# Altium PCB ST1-1-BASIS.PcbDoc (part 3 of 7) (continued)
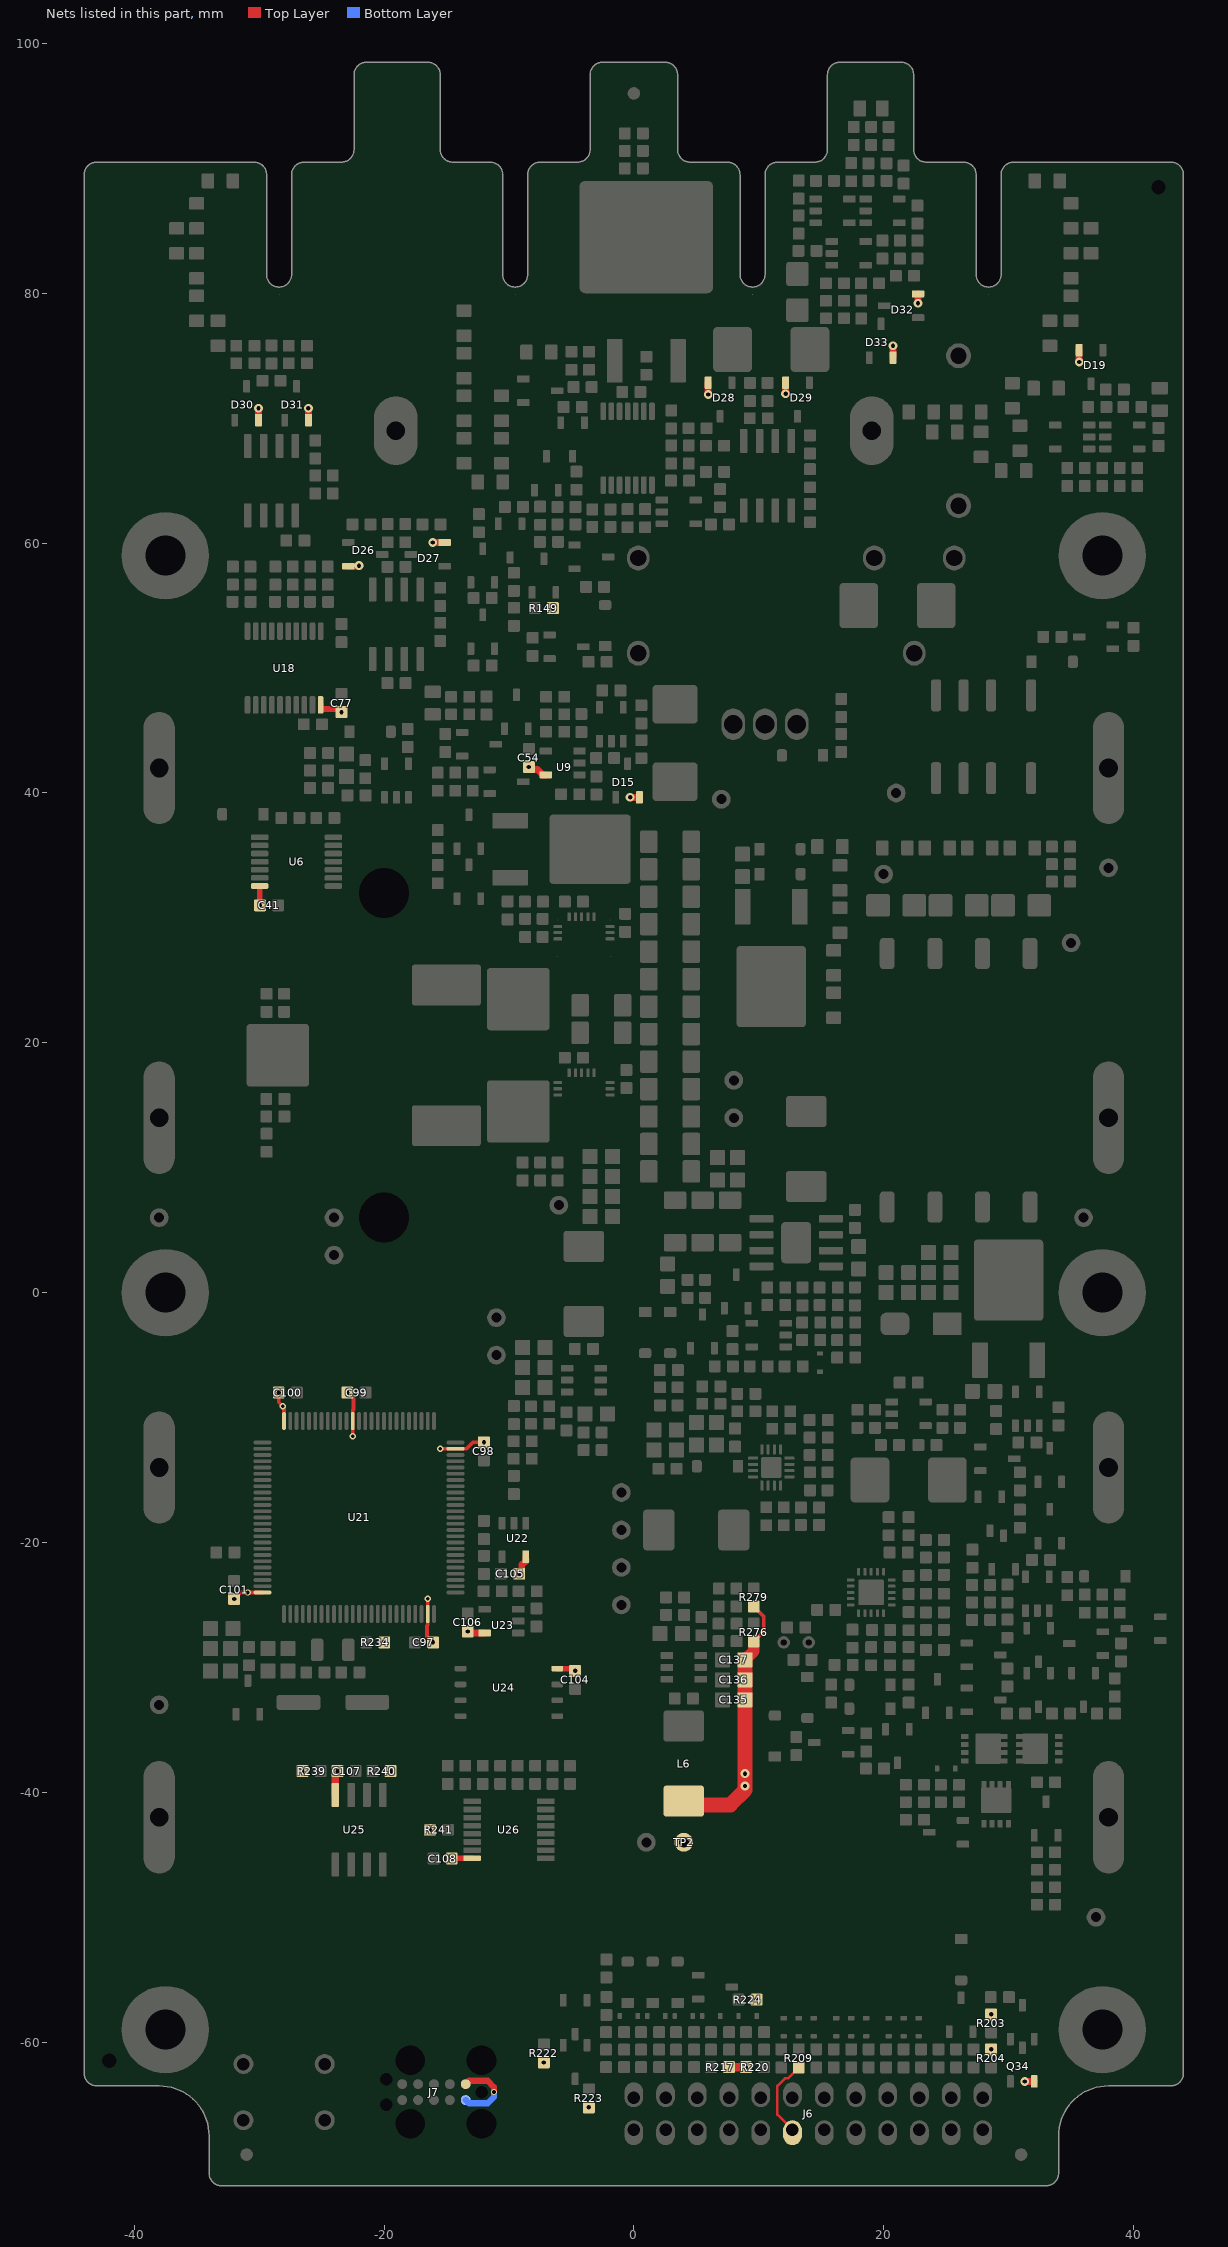
[diagram p7: the nets of this part, all layers, seen from the top]
## Part data (continued)
R21 R87 R88 R94 R101 R120 R151 R168 R169 R176 R177 R198 R199 R235: "RES SM 0603 1K", Absolute Value=1000, JLC Type=Basic, Manufacturer=GENERIC, Manufacturer 1=YAGEO, Manufacturer 3="UNI-ROYAL(Uniroyal Elec)", Manufacturer Part Number 1=RC0603FR-131KL, Manufacturer Part Number 2=RC0603FR-101KL, Manufacturer Part Number 3=0603WAF1001T5E, Package=0603, Supplier Part Number 1=13-RC0603FR-131KLCT-ND, Eurocircuits GPN=GPR06031K, HelpURL=https://www.yageogroup.com/content/datasheet/asset/file/PYU-RC_GROUP_51_ROHS_L, Manufacturer 2=YAGEO, Part Number=1K/0603, Supplier 1=Digi-Key, Supplier 2=Digi-Key, Supplier 3=LCSC, Supplier Part Number 2=13-RC0603FR-101KLCT-ND, Supplier Part Number 3=C21190
R22 R23 R24 R25: "RES SM 0603 27R", Absolute Value=27, JLC Type=Extended, Manufacturer=GENERIC, Manufacturer 1=YAGEO, Manufacturer Part Number 1=RC0603FR-1327RL, Manufacturer Part Number 2=RC0603FR-0727RL, Package=0603, Supplier Part Number 1=13-RC0603FR-1327RLCT-ND, Eurocircuits GPN=GPR060327R, HelpURL=https://www.yageogroup.com/content/datasheet/asset/file/PYU-RC_GROUP_51_ROHS_L, Manufacturer 2=YAGEO, Manufacturer 3=YAGEO, Manufacturer Part Number 3=RC0603FR-0727RL, Part Number=27R/0603, Supplier 1=Digi-Key, Supplier 2=Digi-Key, Supplier 3=LCSC, Supplier Part Number 2=311-27.0HRCT-ND, Supplier Part Number 3=C137753
R26 R27 R28 R30 R33 R37 R41 R43 R44 R45 R46 R47 R50 R57 R58 R67 R70 R73 R81 R83 R91 R95 R99 R102 R103 R105 R114 R117 R122 R124 R135 R136 R139 R141 R142 R148 R173 R186 R190 R197 R200 R201 R202 R229 R230 R231 R232 R233 R234 R255 R267: "RES SM 0603 100K", Absolute Value=100000, JLC Type=Basic, Manufacturer=GENERIC, Manufacturer 1=YAGEO, Manufacturer 3="UNI-ROYAL(Uniroyal Elec)", Manufacturer Part Number 1=RC0603FR-13100KL, Manufacturer Part Number 2=RC0603FR-10100KL, Manufacturer Part Number 3=0603WAF1003T5E, Package=0603, Supplier Part Number 1=13-RC0603FR-13100KLCT-ND, Eurocircuits GPN=GPR0603100K, HelpURL=https://www.yageogroup.com/content/datasheet/asset/file/PYU-RC_GROUP_51_ROHS_L, Manufacturer 2=YAGEO, Part Number=100K/0603, Supplier 1=Digi-Key, Supplier 2=Digi-Key, Supplier 3=LCSC, Supplier Part Number 2=13-RC0603FR-10100KLCT-ND, Supplier Part Number 3=C25803
R29 R85 R90 R97: "RES SM 0603 200K", Absolute Value=200000, JLC Type=Basic, Manufacturer=GENERIC, Manufacturer 1=YAGEO, Manufacturer 3="UNI-ROYAL(Uniroyal Elec)", Manufacturer Part Number 1=RC0603FR-13200KL, Manufacturer Part Number 2=RC0603FR-10200KL, Manufacturer Part Number 3=0603WAF2003T5E, Package=0603, Supplier Part Number 1=13-RC0603FR-13200KLCT-ND, Eurocircuits GPN=GPR0603200K, HelpURL=https://www.yageogroup.com/content/datasheet/asset/file/PYU-RC_GROUP_51_ROHS_L, Manufacturer 2=YAGEO, Part Number=200K/0603, Supplier 1=Digi-Key, Supplier 2=Digi-Key, Supplier 3=LCSC, Supplier Part Number 2=13-RC0603FR-10200KLCT-ND, Supplier Part Number 3=C25811
R39: "RES SM 0603 6M8", Absolute Value=6800000, JLC Type=Extended, Manufacturer=GENERIC, Manufacturer 1=YAGEO, Manufacturer 3=FOJAN, Manufacturer Part Number 1=RC0603FR-076M8L, Manufacturer Part Number 3=FRC0603F6804TS, Package=0603, Supplier Part Number 1=13-RC0603FR-076M8LCT-ND, Eurocircuits GPN=GPR06036M8, HelpURL=https://www.yageogroup.com/content/datasheet/asset/file/PYU-RC_GROUP_51_ROHS_L, Part Number=6M8/0603, Supplier 1=Digi-Key, Supplier 3=LCSC, Supplier Part Number 3=C3013205
R48 R49 R138 R147 R187 R206 R228: "RES SM 0603 0R", Absolute Value=0, JLC Type=Basic, Manufacturer=GENERIC, Manufacturer 1=YAGEO, Manufacturer 3="UNI-ROYAL(Uniroyal Elec)", Manufacturer Part Number 1=RC0603FR-070RL, Manufacturer Part Number 2=RC0603FR-130RL, Manufacturer Part Number 3=0603WAF0000T5E, Package=0603, Supplier Part Number 1=311-0.0HRCT-ND, Eurocircuits GPN=GPR06030R, HelpURL=https://www.yageogroup.com/content/datasheet/asset/file/PYU-RC_GROUP_51_ROHS_L, Manufacturer 2=YAGEO, Part Number=0R/0603, Supplier 1=Digi-Key, Supplier 2=Digi-Key, Supplier 3=LCSC, Supplier Part Number 2=13-RC0603FR-130RLCT-ND, Supplier Part Number 3=C21189
R59: "RES SM 0603 30R", Absolute Value=30, JLC Type=Extended, Manufacturer=GENERIC, Manufacturer 1=YAGEO, Manufacturer Part Number 1=RC0603FR-1330RL, Manufacturer Part Number 2=RC0603FR-0730RL, Package=0603, Supplier Part Number 1=13-RC0603FR-1330RLCT-ND, Eurocircuits GPN=GPR060330R, HelpURL=https://www.yageogroup.com/content/datasheet/asset/file/PYU-RC_GROUP_51_ROHS_L, Manufacturer 2=YAGEO, Manufacturer 3=YAGEO, Manufacturer Part Number 3=RC0603FR-0730RL, Part Number=30R/0603, Supplier 1=Digi-Key, Supplier 2=Digi-Key, Supplier 3=LCSC, Supplier Part Number 2=311-30.0HRCT-ND, Supplier Part Number 3=C128060
R60 R63 R65: "RES SM 1206 1M High voltage", Absolute Value=1000000, JLC Type=Extended, Manufacturer=GENERIC, Manufacturer 1=YAGEO, Manufacturer Part Number 1=RV1206FR-071ML, Package=1206, Supplier Part Number 1=311-1MNICT-ND, HelpURL=https://www.yageogroup.com/content/datasheet/asset/file/PYU-RV_51_ROHS_L, Manufacturer 3=YAGEO, Manufacturer Part Number 3=RV1206FR-071ML, Part Number=1M/1206/HV, Supplier 1=Digi-Key, Supplier 3=LCSC, Supplier Part Number 3=C706459
R61 R64 R66 R68: "RES SM 0805 220K High voltage", Absolute Value=220000, JLC Type=Extended, Manufacturer=GENERIC, Manufacturer 1=YAGEO, Manufacturer Part Number 3=RV0805FR-07220KL, Package=0805, HelpURL=https://www.yageogroup.com/content/datasheet/asset/file/PYU-RV_51_ROHS_L, Manufacturer 3=YAGEO, Part Number=220K/0805/HV, Supplier 3=LCSC, Supplier Part Number 3=C873358
R62 R74: "RES SM 0805 10K", Absolute Value=10000, JLC Type=Basic, Manufacturer=GENERIC, Manufacturer 1=YAGEO, Manufacturer 3="UNI-ROYAL(Uniroyal Elec)", Manufacturer Part Number 1=RC0805FR-1310KL, Manufacturer Part Number 2=RC0805FR-1010KL, Manufacturer Part Number 3=0805W8F1002T5E, Package=0805, Supplier Part Number 1=13-RC0805FR-1310KLCT-ND, Eurocircuits GPN=GPR080510K, HelpURL=https://www.yageogroup.com/content/datasheet/asset/file/PYU-RC_GROUP_51_ROHS_L, Manufacturer 2=YAGEO, Part Number=10K/0805, Supplier 1=Digi-Key, Supplier 2=Digi-Key, Supplier 3=LCSC, Supplier Part Number 2=13-RC0805FR-1010KLCT-ND, Supplier Part Number 3=C17414
R69: "RES SM 0805 1R", Absolute Value=0, JLC Type=Basic, Manufacturer=GENERIC, Manufacturer 1=YAGEO, Manufacturer 3="UNI-ROYAL(Uniroyal Elec)", Manufacturer Part Number 1=RC0805FR-130RL, Manufacturer Part Number 2=RC0805FR-100RL, Manufacturer Part Number 3=0805W8F0000T5E, Package=0805, Supplier Part Number 1=13-RC0805FR-130RLCT-ND, Eurocircuits GPN=GPR08050R, HelpURL=https://www.yageogroup.com/content/datasheet/asset/file/PYU-RC_GROUP_51_ROHS_L, Manufacturer 2=YAGEO, Part Number=0R/0805, Supplier 1=Digi-Key, Supplier 2=Digi-Key, Supplier 3=LCSC, Supplier Part Number 2=13-RC0805FR-100RLCT-ND, Supplier Part Number 3=C17477
R71 R72 R93 R132 R140: "RES SM 0603 2K", Absolute Value=2000, JLC Type=Basic, Manufacturer=GENERIC, Manufacturer 1=YAGEO, Manufacturer 3="UNI-ROYAL(Uniroyal Elec)", Manufacturer Part Number 1=RC0603FR-132KL, Manufacturer Part Number 2=RC0603FR-102KL, Manufacturer Part Number 3=0603WAF2001T5E, Package=0603, Supplier Part Number 1=13-RC0603FR-132KLCT-ND, Eurocircuits GPN=GPR06032K, HelpURL=https://www.yageogroup.com/content/datasheet/asset/file/PYU-RC_GROUP_51_ROHS_L, Manufacturer 2=YAGEO, Part Number=2K/0603, Supplier 1=Digi-Key, Supplier 2=Digi-Key, Supplier 3=LCSC, Supplier Part Number 2=13-RC0603FR-102KLCT-ND, Supplier Part Number 3=C22975
R75 R76 R77 R78 R79 R154 R155 R156 R157 R164 R165 R166 R167: "RES SM 0805 2M High voltage", Absolute Value=2000000, JLC Type=Extended, Manufacturer=GENERIC, Manufacturer 1=YAGEO, Manufacturer Part Number 1=RV0805FR-072ML, Package=0805, Supplier Part Number 1=13-RV0805FR-072MLCT-ND, HelpURL=https://www.yageogroup.com/content/datasheet/asset/file/PYU-RV_51_ROHS_L, Manufacturer 3=YAGEO, Manufacturer Part Number 3=RV0805FR-072ML, Part Number=2M/0805/HV, Supplier 1=Digi-Key, Supplier 3=LCSC, Supplier Part Number 3=C873372
R84: "RES SM 0603 6K8", Absolute Value=6800, JLC Type=Basic, Manufacturer=GENERIC, Manufacturer 1=YAGEO, Manufacturer 3=UNI-ROYAL, Manufacturer Part Number 1=RC0603FR-136K8L, Manufacturer Part Number 2=RC0603FR-106K8L, Manufacturer Part Number 3=0603WAF6801T5E, Package=0603, Supplier Part Number 1=13-RC0603FR-136K8LCT-ND, Eurocircuits GPN=GPR06036K8, HelpURL=https://www.yageogroup.com/content/datasheet/asset/file/PYU-RC_GROUP_51_ROHS_L, Manufacturer 2=YAGEO, Part Number=6K8/0603, Supplier 1=Digi-Key, Supplier 2=Digi-Key, Supplier 3=LCSC, Supplier Part Number 2=13-RC0603FR-106K8LCT-ND, Supplier Part Number 3=C23212
R106 R262 R277 R284 R287: "RES SM 0603 30K", Absolute Value=30000, JLC Type=Basic, Manufacturer=GENERIC, Manufacturer 1=YAGEO, Manufacturer 3="UNI-ROYAL(Uniroyal Elec)", Manufacturer Part Number 1=RC0603FR-1330KL, Manufacturer Part Number 2=RC0603FR-1030KL, Manufacturer Part Number 3=0603WAF3002T5E, Package=0603, Supplier Part Number 1=13-RC0603FR-1330KLCT-ND, Eurocircuits GPN=GPR060330K, HelpURL=https://www.yageogroup.com/content/datasheet/asset/file/PYU-RC_GROUP_51_ROHS_L, Manufacturer 2=YAGEO, Part Number=30K/0603, Supplier 1=Digi-Key, Supplier 2=Digi-Key, Supplier 3=LCSC, Supplier Part Number 2=13-RC0603FR-1030KLCT-ND, Supplier Part Number 3=C22984
R107: "RES SM 2512 0R", Absolute Value=0, Manufacturer=GENERIC, Package=2512, Part Number=0R/2512
R108 R109 R110 R112 R113 R115 R116 R119: "RES SM 0805 3M3 High voltage", Absolute Value=3300000, JLC Type=Extended, Manufacturer=GENERIC, Manufacturer 1=YAGEO, Manufacturer Part Number 1="RES SMD 3.3M OHM 1% 1/8W 0805", Manufacturer Part Number 3=RV0805FR-073M3L, Package=0805, Supplier Part Number 1=RV0805FR-073M3L-ND, HelpURL=https://www.yageogroup.com/content/datasheet/asset/file/PYU-RV_51_ROHS_L, Manufacturer 3=YAGEO, Part Number=3M3/0805/HV, Supplier 1=Digi-Key, Supplier 3=LCSC, Supplier Part Number 3=C873387
R111 R123: "RES SM 0603 330R", Absolute Value=330, JLC Type=Basic, Manufacturer=GENERIC, Manufacturer 1=YAGEO, Manufacturer 3="UNI-ROYAL(Uniroyal Elec)", Manufacturer Part Number 1=RC0603FR-13330RL, Manufacturer Part Number 2=RC0603FR-10330RL, Manufacturer Part Number 3=0603WAF3300T5E, Package=0603, Supplier Part Number 1=13-RC0603FR-13330RLCT-ND, Eurocircuits GPN=GPR0603330R, HelpURL=https://www.yageogroup.com/content/datasheet/asset/file/PYU-RC_GROUP_51_ROHS_L, Manufacturer 2=YAGEO, Part Number=330R/0603, Supplier 1=Digi-Key, Supplier 2=Digi-Key, Supplier 3=LCSC, Supplier Part Number 2=13-RC0603FR-10330RLCT-ND, Supplier Part Number 3=C23138
R121: "RES SM 0603 910K", Absolute Value=910000, JLC Type=Extended, Manufacturer=GENERIC, Manufacturer 1=YAGEO, Manufacturer Part Number 1=RC0603FR-07910KL, Package=0603, Supplier Part Number 1=311-910KHRCT-ND, Eurocircuits GPN=GPR0603910K, HelpURL=https://www.yageogroup.com/content/datasheet/asset/file/PYU-RC_GROUP_51_ROHS_L, Manufacturer 3=YAGEO, Manufacturer Part Number 3=RC0603FR-07910KL, Part Number=910K/0603, Supplier 1=Digi-Key, Supplier 3=LCSC, Supplier Part Number 3=C137672
R126: "RES SM 1206 100R", Absolute Value=100, Manufacturer=GENERIC, Manufacturer 1=YAGEO, Manufacturer 3="UNI-ROYAL(Uniroyal Elec)", Manufacturer Part Number 1=RC1206FR-07100RL, Manufacturer Part Number 3=1206W4F1000T5E, Package=1206, Supplier Part Number 1=311-100FRCT-ND, HelpURL=https://www.yageogroup.com/content/datasheet/asset/file/PYU-RC_GROUP_51_ROHS_L, Part Number=100R/1206, Supplier 1=Digi-Key, Supplier 3=LCSC, Supplier Part Number 3=C17901
R143: "RES SM 0603 75K", Absolute Value=75000, JLC Type=Basic, Manufacturer=GENERIC, Manufacturer 1=YAGEO, Manufacturer 3="UNI-ROYAL(Uniroyal Elec)", Manufacturer Part Number 1=RC0603FR-1375KL, Manufacturer Part Number 2=RC0603FR-1075KL, Manufacturer Part Number 3=0603WAF7502T5E, Package=0603, Supplier Part Number 1=13-RC0603FR-1375KLCT-ND, Eurocircuits GPN=GPR060375K, HelpURL=https://www.yageogroup.com/content/datasheet/asset/file/PYU-RC_GROUP_51_ROHS_L, Manufacturer 2=YAGEO, Part Number=75K/0603, Supplier 1=Digi-Key, Supplier 2=Digi-Key, Supplier 3=LCSC, Supplier Part Number 2=13-RC0603FR-1075KLCT-ND, Supplier Part Number 3=C23242
R145: "RES SM 0603 110K", Absolute Value=110000, JLC Type=Extended, Manufacturer=GENERIC, Manufacturer 1=YAGEO, Manufacturer 3="UNI-ROYAL(Uniroyal Elec)", Manufacturer Part Number 1=RC0603FR-13110KL, Manufacturer Part Number 2=RC0603FR-07110KL, Manufacturer Part Number 3=0603WAF1103T5E, Package=0603, Supplier Part Number 1=13-RC0603FR-13110KLCT-ND, Eurocircuits GPN=GPR0603110K, HelpURL=https://www.yageogroup.com/content/datasheet/asset/file/PYU-RC_GROUP_51_ROHS_L, Manufacturer 2=YAGEO, Part Number=110K/0603, Supplier 1=Digi-Key, Supplier 2=Digi-Key, Supplier 3=LCSC, Supplier Part Number 2=311-110KHRCT-ND, Supplier Part Number 3=C25805
R158 R159 R161 R162 R271: "RES SM 0603 16K", Absolute Value=16000, JLC Type=Extended, Manufacturer=GENERIC, Manufacturer 1=YAGEO, Manufacturer Part Number 1=RC0603FR-1316KL, Manufacturer Part Number 2=RC0603FR-1016KL, Manufacturer Part Number 3=RC0603FR-0716KL, Package=0603, Supplier Part Number 1=13-RC0603FR-1316KLCT-ND, Eurocircuits GPN=GPR060316K, HelpURL=https://www.yageogroup.com/content/datasheet/asset/file/PYU-RC_GROUP_51_ROHS_L, Manufacturer 2=YAGEO, Manufacturer 3=YAGEO, Part Number=16K/0603, Supplier 1=Digi-Key, Supplier 2=Digi-Key, Supplier 3=LCSC, Supplier Part Number 2=13-RC0603FR-1016KLCT-ND, Supplier Part Number 3=C137788
R160 R269: "RES SM 0603 15K", Absolute Value=15000, JLC Type=Basic, Manufacturer=GENERIC, Manufacturer 1=YAGEO, Manufacturer 3="UNI-ROYAL(Uniroyal Elec)", Manufacturer Part Number 1=RC0603FR-1315KL, Manufacturer Part Number 2=RC0603FR-1015KL, Manufacturer Part Number 3=0603WAF1502T5E, Package=0603, Supplier Part Number 1=13-RC0603FR-1315KLCT-ND, Eurocircuits GPN=GPR060315K, HelpURL=https://www.yageogroup.com/content/datasheet/asset/file/PYU-RC_GROUP_51_ROHS_L, Manufacturer 2=YAGEO, Part Number=15K/0603, Supplier 1=Digi-Key, Supplier 2=Digi-Key, Supplier 3=LCSC, Supplier Part Number 2=13-RC0603FR-1015KLCT-ND, Supplier Part Number 3=C22809
R163: "RES SM 0603 360K", Absolute Value=360000, JLC Type=Extended, Manufacturer=GENERIC, Manufacturer 1=YAGEO, Manufacturer 3="UNI-ROYAL(Uniroyal Elec)", Manufacturer Part Number 1=RC0603FR-07360KL, Manufacturer Part Number 3=0603WAF3603T5E, Package=0603, Supplier Part Number 1=311-360KHRCT-ND, Eurocircuits GPN=GPR0603360K, HelpURL=https://www.yageogroup.com/content/datasheet/asset/file/PYU-RC_GROUP_51_ROHS_L, Part Number=360K/0603, Supplier 1=Digi-Key, Supplier 3=LCSC, Supplier Part Number 3=C23146
R170 R175: "RES SM 0603 130K", Absolute Value=130000, JLC Type=Extended, Manufacturer=GENERIC, Manufacturer 1=YAGEO, Manufacturer Part Number 1=RC0603FR-07130KL, Package=0603, Supplier Part Number 1=311-130KHRCT-ND, Eurocircuits GPN=GPR0603130K, HelpURL=https://www.yageogroup.com/content/datasheet/asset/file/PYU-RC_GROUP_51_ROHS_L, Manufacturer 3=YAGEO, Manufacturer Part Number 3=RC0603FR-07130KL, Part Number=130K/0603, Supplier 1=Digi-Key, Supplier 3=LCSC, Supplier Part Number 3=C163432
R171 R174: "RES SM 0603 18K", Absolute Value=18000, JLC Type=Basic, Manufacturer=GENERIC, Manufacturer 1=YAGEO, Manufacturer 3=UNI-ROYAL, Manufacturer Part Number 1=RC0603FR-1318KL, Manufacturer Part Number 2=RC0603FR-1018KL, Manufacturer Part Number 3=0603WAF1802T5E, Package=0603, Supplier Part Number 1=13-RC0603FR-1318KLCT-ND, Eurocircuits GPN=GPR060318K, HelpURL=https://www.yageogroup.com/content/datasheet/asset/file/PYU-RC_GROUP_51_ROHS_L, Manufacturer 2=YAGEO, Part Number=18K/0603, Supplier 1=Digi-Key, Supplier 2=Digi-Key, Supplier 3=LCSC, Supplier Part Number 2=13-RC0603FR-1018KLCT-ND, Supplier Part Number 3=C25810
R172 R264: "RES SM 0603 20K", Absolute Value=20000, JLC Type=Basic, Manufacturer=GENERIC, Manufacturer 1=YAGEO, Manufacturer 3="UNI-ROYAL(Uniroyal Elec)", Manufacturer Part Number 1=RC0603FR-1320KL, Manufacturer Part Number 2=RC0603FR-1020KL, Manufacturer Part Number 3=0603WAF2002T5E, Package=0603, Supplier Part Number 1=13-RC0603FR-1320KLCT-ND, Eurocircuits GPN=GPR060320K, HelpURL=https://www.yageogroup.com/content/datasheet/asset/file/PYU-RC_GROUP_51_ROHS_L, Manufacturer 2=YAGEO, Part Number=20K/0603, Supplier 1=Digi-Key, Supplier 2=Digi-Key, Supplier 3=LCSC, Supplier Part Number 2=13-RC0603FR-1020KLCT-ND, Supplier Part Number 3=C4184
R178 R179 R180 R181 R182 R183 R191 R192 R193 R194 R195 R196: "RES SM 0805 750K High voltage", Absolute Value=750000, JLC Type=Extended, Manufacturer=GENERIC, Manufacturer 1=YAGEO, Manufacturer Part Number 3=RV0805FR-07750KL, Package=0805, HelpURL=https://www.yageogroup.com/content/datasheet/asset/file/PYU-RV_51_ROHS_L, Manufacturer 3=YAGEO, Part Number=750K/0805/HV, Supplier 3=LCSC, Supplier Part Number 3=C873432
R207 R208 R209 R210 R211 R212 R213 R214 R215 R216 R219: "RES SM 0603 200R", Absolute Value=200, JLC Type=Basic, Manufacturer=GENERIC, Manufacturer 1=YAGEO, Manufacturer 3="UNI-ROYAL(Uniroyal Elec)", Manufacturer Part Number 1=RC0603FR-13200RL, Manufacturer Part Number 2=RC0603FR-07200RL, Manufacturer Part Number 3=0603WAF2000T5E, Package=0603, Supplier Part Number 1=13-RC0603FR-13200RLCT-ND, Eurocircuits GPN=GPR0603200R, HelpURL=https://www.yageogroup.com/content/datasheet/asset/file/PYU-RC_GROUP_51_ROHS_L, Manufacturer 2=YAGEO, Part Number=200R/0603, Supplier 1=Digi-Key, Supplier 2=Digi-Key, Supplier 3=LCSC, Supplier Part Number 2=311-200HRCT-ND, Supplier Part Number 3=C8218
R239 R240 R241: "RES SM 0603 4K7", Absolute Value=4700, JLC Type=Basic, Manufacturer=GENERIC, Manufacturer 1=YAGEO, Manufacturer 3="UNI-ROYAL(Uniroyal Elec)", Manufacturer Part Number 1=RC0603FR-134K7L, Manufacturer Part Number 2=RC0603FR-104K7L, Manufacturer Part Number 3=0603WAF4701T5E, Package=0603, Supplier Part Number 1=13-RC0603FR-134K7LCT-ND, Eurocircuits GPN=GPR06034K7, HelpURL=https://www.yageogroup.com/content/datasheet/asset/file/PYU-RC_GROUP_51_ROHS_L, Manufacturer 2=YAGEO, Part Number=4K7/0603, Supplier 1=Digi-Key, Supplier 2=Digi-Key, Supplier 3=LCSC, Supplier Part Number 2=13-RC0603FR-104K7LCT-ND, Supplier Part Number 3=C23162
R250 R251: "RES SM 0603 300K", Absolute Value=300000, JLC Type=Basic, Manufacturer=GENERIC, Manufacturer 1=YAGEO, Manufacturer 3="UNI-ROYAL(Uniroyal Elec)", Manufacturer Part Number 1=RC0603FR-13300KL, Manufacturer Part Number 2=RC0603FR-10300KL, Manufacturer Part Number 3=0603WAF3003T5E, Package=0603, Supplier Part Number 1=13-RC0603FR-13300KLCT-ND, Eurocircuits GPN=GPR0603300K, HelpURL=https://www.yageogroup.com/content/datasheet/asset/file/PYU-RC_GROUP_51_ROHS_L, Manufacturer 2=YAGEO, Part Number=300K/0603, Supplier 1=Digi-Key, Supplier 2=Digi-Key, Supplier 3=LCSC, Supplier Part Number 2=13-RC0603FR-10300KLCT-ND, Supplier Part Number 3=C23024
R252 R263 R268: "RES SM 0603 180K", Absolute Value=180000, JLC Type=Extended, Manufacturer=GENERIC, Manufacturer 1=YAGEO, Manufacturer 3="UNI-ROYAL(Uniroyal Elec)", Manufacturer Part Number 1=RC0603FR-13180KL, Manufacturer Part Number 2=RC0603FR-10180KL, Manufacturer Part Number 3=0603WAF1803T5E, Package=0603, Supplier Part Number 1=13-RC0603FR-13180KLCT-ND, Eurocircuits GPN=GPR0603180K, HelpURL=https://www.yageogroup.com/content/datasheet/asset/file/PYU-RC_GROUP_51_ROHS_L, Manufacturer 2=YAGEO, Part Number=180K/0603, Supplier 1=Digi-Key, Supplier 2=Digi-Key, Supplier 3=LCSC, Supplier Part Number 2=13-RC0603FR-10180KLCT-ND, Supplier Part Number 3=C22827
R259: "RES SM 0805 120K", Absolute Value=120000, JLC Type=Extended, Manufacturer=GENERIC, Manufacturer 1=YAGEO, Manufacturer Part Number 1=RC0805FR-13120KL, Manufacturer Part Number 2=RC0805FR-07120KL, Package=0805, Supplier Part Number 1=13-RC0805FR-13120KLCT-ND, Eurocircuits GPN=GPR0805120K, HelpURL=https://www.yageogroup.com/content/datasheet/asset/file/PYU-RC_GROUP_51_ROHS_L, Manufacturer 2=YAGEO, Manufacturer 3=YAGEO, Manufacturer Part Number 3=RC0805FR-07120KL, Part Number=120K/0805, Supplier 1=Digi-Key, Supplier 2=Digi-Key, Supplier 3=LCSC, Supplier Part Number 2=311-120KCRCT-ND, Supplier Part Number 3=C114524
R260: "RES SM 0805 240K", Absolute Value=240000, JLC Type=Extended, Manufacturer=GENERIC, Manufacturer 1=YAGEO, Manufacturer 3=FOJAN, Manufacturer Part Number 1=RC0805FR-10240KL, Manufacturer Part Number 2=RC0805FR-07240KL, Manufacturer Part Number 3=FRC0805J244, Package=0805, Supplier Part Number 1=13-RC0805FR-10240KLCT-ND, Eurocircuits GPN=GPR0805240K, HelpURL=https://www.yageogroup.com/content/datasheet/asset/file/PYU-RC_GROUP_51_ROHS_L, Manufacturer 2=YAGEO, Part Number=240K/0805, Supplier 1=Digi-Key, Supplier 2=Digi-Key, Supplier 3=LCSC, Supplier Part Number 2=311-240KCRCT-ND, Supplier Part Number 3=C2960883
R265: "RES SM 0603 150K", Absolute Value=150000, JLC Type=Basic, Manufacturer=GENERIC, Manufacturer 1=YAGEO, Manufacturer 3="UNI-ROYAL(Uniroyal Elec)", Manufacturer Part Number 1=RC0603FR-13150KL, Manufacturer Part Number 2=RC0603FR-10150KL, Manufacturer Part Number 3=0603WAF1503T5E, Package=0603, Supplier Part Number 1=13-RC0603FR-13150KLCT-ND, Eurocircuits GPN=GPR0603150K, HelpURL=https://www.yageogroup.com/content/datasheet/asset/file/PYU-RC_GROUP_51_ROHS_L, Manufacturer 2=YAGEO, Part Number=150K/0603, Supplier 1=Digi-Key, Supplier 2=Digi-Key, Supplier 3=LCSC, Supplier Part Number 2=13-RC0603FR-10150KLCT-ND, Supplier Part Number 3=C22807
R270: "RES SM 0603 240K", Absolute Value=240000, JLC Type=Extended, Manufacturer=GENERIC, Manufacturer 1=YAGEO, Manufacturer 3="UNI-ROYAL(Uniroyal Elec)", Manufacturer Part Number 1=RC0603FR-13240KL, Manufacturer Part Number 2=RC0603FR-07240KL, Manufacturer Part Number 3=0603WAF2403T5E, Package=0603, Supplier Part Number 1=13-RC0603FR-13240KLCT-ND, Eurocircuits GPN=GPR0603240K, HelpURL=https://www.yageogroup.com/content/datasheet/asset/file/PYU-RC_GROUP_51_ROHS_L, Manufacturer 2=YAGEO, Part Number=240K/0603, Supplier 1=Digi-Key, Supplier 2=Digi-Key, Supplier 3=LCSC, Supplier Part Number 2=311-240KHRCT-ND, Supplier Part Number 3=C4197
R273: "RES SM 0603 470R", Absolute Value=470, JLC Type=Basic, Manufacturer=GENERIC, Manufacturer 1=YAGEO, Manufacturer 3=UNI-ROYAL, Manufacturer Part Number 1=RC0603FR-13470RL, Manufacturer Part Number 2=RC0603FR-10470RL, Manufacturer Part Number 3=0603WAF4700T5E, Package=0603, Supplier Part Number 1=13-RC0603FR-13470RLCT-ND, Eurocircuits GPN=GPR0603470R, HelpURL=https://www.yageogroup.com/content/datasheet/asset/file/PYU-RC_GROUP_51_ROHS_L, Manufacturer 2=YAGEO, Part Number=470R/0603, Supplier 1=Digi-Key, Supplier 2=Digi-Key, Supplier 3=LCSC, Supplier Part Number 2=13-RC0603FR-10470RLCT-ND, Supplier Part Number 3=C23179
R274 R278: "RES SM 0603 62K", Absolute Value=62000, JLC Type=Extended, Manufacturer=GENERIC, Manufacturer 1=YAGEO, Manufacturer 3="UNI-ROYAL(Uniroyal Elec)", Manufacturer Part Number 1=RC0603FR-1362KL, Manufacturer Part Number 2=RC0603FR-1062KL, Manufacturer Part Number 3=0603WAF6202T5E, Package=0603, Supplier Part Number 1=13-RC0603FR-1362KLCT-ND, Eurocircuits GPN=GPR060362K, HelpURL=https://www.yageogroup.com/content/datasheet/asset/file/PYU-RC_GROUP_51_ROHS_L, Manufacturer 2=YAGEO, Part Number=62K/0603, Supplier 1=Digi-Key, Supplier 2=Digi-Key, Supplier 3=LCSC, Supplier Part Number 2=13-RC0603FR-1062KLCT-ND, Supplier Part Number 3=C23221
R275 R282 R285: "RES SM 0603 120K", Absolute Value=120000, JLC Type=Basic, Manufacturer=GENERIC, Manufacturer 1=YAGEO, Manufacturer 3="UNI-ROYAL(Uniroyal Elec)", Manufacturer Part Number 1=RC0603FR-13120KL, Manufacturer Part Number 2=RC0603FR-10120KL, Manufacturer Part Number 3=0603WAF1203T5E, Package=0603, Supplier Part Number 1=13-RC0603FR-13120KLCT-ND, Eurocircuits GPN=GPR0603120K, HelpURL=https://www.yageogroup.com/content/datasheet/asset/file/PYU-RC_GROUP_51_ROHS_L, Manufacturer 2=YAGEO, Part Number=120K/0603, Supplier 1=Digi-Key, Supplier 2=Digi-Key, Supplier 3=LCSC, Supplier Part Number 2=13-RC0603FR-10120KLCT-ND, Supplier Part Number 3=C25808
R279 R289: "RES SM 0603 43K", Absolute Value=43000, JLC Type=Extended, Manufacturer=GENERIC, Manufacturer 1=YAGEO, Manufacturer Part Number 1=RC0603FR-1343KL, Manufacturer Part Number 2=RC0603FR-1043KL, Manufacturer Part Number 3=RC0603FR-0743KL, Package=0603, Supplier Part Number 1=13-RC0603FR-1343KLCT-ND, Eurocircuits GPN=GPR060343K, HelpURL=https://www.yageogroup.com/content/datasheet/asset/file/PYU-RC_GROUP_51_ROHS_L, Manufacturer 2=YAGEO, Manufacturer 3=YAGEO, Part Number=43K/0603, Supplier 1=Digi-Key, Supplier 2=Digi-Key, Supplier 3=LCSC, Supplier Part Number 2=13-RC0603FR-1043KLCT-ND, Supplier Part Number 3=C137719
R280: "RES SM 0603 27K", Absolute Value=27000, JLC Type=Basic, Manufacturer=GENERIC, Manufacturer 1=YAGEO, Manufacturer 3="UNI-ROYAL(Uniroyal Elec)", Manufacturer Part Number 1=RC0603FR-1327KL, Manufacturer Part Number 2=RC0603FR-1027KL, Manufacturer Part Number 3=0603WAF2702T5E, Package=0603, Supplier Part Number 1=13-RC0603FR-1327KLCT-ND, Eurocircuits GPN=GPR060327K, HelpURL=https://www.yageogroup.com/content/datasheet/asset/file/PYU-RC_GROUP_51_ROHS_L, Manufacturer 2=YAGEO, Part Number=27K/0603, Supplier 1=Digi-Key, Supplier 2=Digi-Key, Supplier 3=LCSC, Supplier Part Number 2=13-RC0603FR-1027KLCT-ND, Supplier Part Number 3=C22967
R286: "RES SM 0603 68K", Absolute Value=68000, JLC Type=Basic, Manufacturer=GENERIC, Manufacturer 1=YAGEO, Manufacturer Part Number 1=RC0603FR-1368KL, Manufacturer Part Number 2=RC0603FR-1068KL, Manufacturer Part Number 3=RC0603FR-0768KL, Package=0603, Supplier Part Number 1=13-RC0603FR-1368KLCT-ND, Eurocircuits GPN=GPR060368K, HelpURL=https://www.yageogroup.com/content/datasheet/asset/file/PYU-RC_GROUP_51_ROHS_L, Manufacturer 2=YAGEO, Manufacturer 3=YAGEO, Part Number=68K/0603, Supplier 1=Digi-Key, Supplier 2=Digi-Key, Supplier 3=LCSC, Supplier Part Number 2=13-RC0603FR-1068KLCT-ND, Supplier Part Number 3=C114633
SW1: library part "BTN 6X6MM 4.3MM 1.5N", "Pushbutton switch, PCB mount, 6x6mm, 4.3mm height, 1.5N operating force", Manufacturer 1="Omron Electronics Inc-EMC Div", Manufacturer Part Number 1=B3F-1002, Supplier Part Number 1=SW401-ND, HelpURL=https://omronfs.omron.com/en_US/ecb/products/pdf/en-b3f.pdf, Part Number="BTN 6X6MM 4.3MM 1.5N", Supplier 1=Digi-Key
TP1 TP2 TP3 TP4 TP5 TP6 TP7 TP8 TP9 TP10 TP11 TP12 TP13 TP14 TP15 TP16 TP17 TP18 TP19 TP20 TP21 TP22: "THT Test Point 1.5/0.8mm", Manufacturer=NONE, Part Number=TP_THD_1.5/0.8
U1: "BQ76905 2-Series to 5-Series High Accuracy Battery Monitor and Protector for Li-Ion, Li-Polymer, LiFePO4 (LFP), and LTO Battery Packs", Manufacturer="Texas Instruments", Manufacturer Part Number 1=BQ76905RGRR, Supplier Part Number 1=296-BQ76905RGRRCT-ND, HelpURL=https://www.ti.com/lit/ds/symlink/bq76905.pdf, Manufacturer 1="Texas Instruments", Manufacturer 3="Texas Instruments", Manufacturer Part Number 3=BQ76905RGRR, Part Number=BQ76905, Supplier 1=Digi-Key, Supplier 3=LCSC, Supplier Part Number 3=C22394458
U2 U8 U12 U17 U20 U22 U23: library part "TLV314 SOT23", "TLV314, 3-MHz, Low-Power, Internal EMI Filter, RRIO, Operational Amplifier", Manufacturer="Texas Instruments", Manufacturer Part Number 1=TLV314IDBVR, Manufacturer Part Number 2=TLV314IDBVT, Package=SOT23-5, Supplier Part Number 1=296-46275-1-ND, HelpURL=https://www.ti.com/lit/ds/symlink/tlv4314.pdf, Manufacturer 1="Texas Instruments", Manufacturer 2="Texas Instruments", Manufacturer 3="Texas Instruments", Manufacturer Part Number 3=TLV314IDBVR, Part Number="TLV314 SOT23", Supplier 1=Digi-Key, Supplier 2=Digi-Key, Supplier 3=LCSC, Supplier Part Number 2=296-44110-2-ND, Supplier Part Number 3=C133032
U3 U9 U10 U11 U13 U27: library part "TLV1701 SOT23", "TLV1701 2.2-V to 36-V, microPower Comparato", Manufacturer="Texas Instruments", Manufacturer Part Number 1=TLV1701AIDBVR, Manufacturer Part Number 2=TLV1701QDBVRQ1, Package=SOT23-5, Supplier Part Number 1=296-40599-1-ND, HelpURL=https://www.ti.com/lit/ds/symlink/tlv1701.pdf, Manufacturer 1="Texas Instruments", Manufacturer 2="Texas Instruments", Manufacturer 3="Texas Instruments", Manufacturer Part Number 3=TLV1701AIDBVR, Part Number="TLV1701 SOT23", Supplier 1=Digi-Key, Supplier 2=Digi-Key, Supplier 3=LCSC, Supplier Part Number 2=296-47458-1-ND, Supplier Part Number 3=C130035
U4 U5: "LMG2100R044 100V, 35A GaN Half-Bridge Power Stage", JLC Type=Extended, Manufacturer="Texas Instruments", Manufacturer 3=TI, Manufacturer Part Number 1=LMG2100R044RARR, Package=QFN-17, Supplier Part Number 1=296-LMG2100R044RARRCT-ND, HelpURL=https://www.ti.com/lit/ds/symlink/lmg2100r044.pdf, Manufacturer 1="Texas Instruments", Manufacturer Part Number 3=LMG2100R044RARR, Part Number=LMG2100R044, Supplier 1=Digi-Key, Supplier 3=LCSC, Supplier Part Number 3=C22453052
U6: "SN74LVC08A Quadruple 2-Input Positive-AND Gates", JLC Type=Extended, Manufacturer=TI, Manufacturer 1="Texas Instruments", Manufacturer Part Number 1=SN74LVC08APWR, Package=TSSOP, Supplier Part Number 1=296-1221-1-ND, HelpURL=https://www.ti.com/lit/ds/symlink/sn74lvc08a.pdf, Manufacturer 3=TI, Manufacturer Part Number 3=SN74LVC08APWR, Part Number="SN74LVC08A TSSOP", Supplier 1=Digi-Key, Supplier 3=LCSC, Supplier Part Number 3=C465737
U7: "1EDN7512B Single-channel low-side gate driver IC with 4 A source/8 A sink output stage", Manufacturer="Infineon Technologies", Manufacturer Part Number 1=1EDN7512BXTSA1, Package=SOT23-5, Supplier Part Number 1=1EDN7512BXTSA1CT-ND, HelpURL=https://www.infineon.com/dgdl/Infineon-1DN751x_1EDN851x_Rev+2.0-DS-v02_00-EN.pdf, Manufacturer 1="Infineon Technologies", Manufacturer 3="Infineon Technologies", Manufacturer Part Number 3=1EDN7512B, Part Number=1EDN7512B, Supplier 1=Digi-Key, Supplier 3=LCSC, Supplier Part Number 3=C153236
U14: "OPA4197 36-V, Precision, Rail-to-Rail Input/Output, Low Offset Voltage, Operational Amplifiers", Manufacturer="Texas Instruments", Manufacturer Part Number 1=OPA4197IPWR, Manufacturer Part Number 2=OPA4197QPWRQ1, Package=TSSOP-14, Supplier Part Number 1=296-45060-1-ND, HelpURL=https://www.ti.com/lit/ds/symlink/opa197.pdf, Manufacturer 1="Texas Instruments", Manufacturer 2="Texas Instruments", Manufacturer 3="Texas Instruments", Manufacturer Part Number 3=OPA4197IPWR, Part Number="OPA4197 TSSOP", Supplier 1=Digi-Key, Supplier 2=Digi-Key, Supplier 3=LCSC, Supplier Part Number 2=296-OPA4197QPWRQ1CT-ND, Supplier Part Number 3=C2057327
U15 U16 U19: library part "MCP6N11-001 SO-8", "MCP6N11-001 500 kHz, 800 μA Instrumentation Amplifier SO-8", Manufacturer="Microchip Technology", Manufacturer 3="Microchip Tech", Manufacturer Part Number 1=MCP6N11-001E/SN, Manufacturer Part Number 2=MCP6N11T-001E/SN, Package=SO-8, Supplier Part Number 1=MCP6N11-001E/SN-ND, HelpURL=https://ww1.microchip.com/downloads/en/DeviceDoc/25073A.pdf, Manufacturer 1="Microchip Technology", Manufacturer 2="Microchip Technology", Manufacturer Part Number 3=MCP6N11T-001E/SN, Part Number="MCP6N11-001 SO-8", Supplier 1=Digi-Key, Supplier 2=Digi-Key, Supplier 3=LCSC, Supplier Part Number 2=MCP6N11T-001E/SN-ND, Supplier Part Number 3=C623787
U18: "ADS131M04 4-Channel, Simultaneously-Sampling, 24-Bit, Delta-Sigma ADC", Manufacturer="Texas Instruments", Manufacturer Part Number 1=ADS131M04IPWR, Manufacturer Part Number 2=ADS131M04IPWT, Package=TSSOP-20, Supplier Part Number 1=296-ADS131M04IPWRCT-ND, HelpURL=https://www.ti.com/lit/ds/symlink/ads131m04.pdf, Manufacturer 1="Texas Instruments", Manufacturer 2="Texas Instruments", Manufacturer 3="Texas Instruments", Manufacturer Part Number 3=ADS131M04IPWR, Part Number="ADS131M04 TSSOP", Supplier 1=Digi-Key, Supplier 2=Digi-Key, Supplier 3=LCSC, Supplier Part Number 2=296-ADS131M04IPWTCT-ND, Supplier Part Number 3=C2862562
U21: "STM32G474VET, Arm® Cortex®-M4 32-bit MCU+FPU, 170 MHz / 213 DMIPS, 512 kB flash, 128 KB SRAM, rich analog, math acc, 184 ps 12 chan Hi-res timer, QFP-100", JLC Type=Extended, Manufacturer="ST Microelectronics", Manufacturer 1=STMicroelectronics, Manufacturer Part Number 1=STM32G474VET6, Manufacturer Part Number 2=STM32G474VET3, Manufacturer Part Number 3=STM32G474VET6TR, Package=QFP-100, Supplier Part Number 1=497-19476-ND, HelpURL=https://www.st.com/resource/en/datasheet/stm32g474ve.pdf, Manufacturer 2=STMicroelectronics, Manufacturer 3=STMicroelectronics, Part Number=STM32G474VET, Supplier 1=Digi-Key, Supplier 2=Digi-Key, Supplier 3=LCSC, Supplier Part Number 2=497-STM32G474VET3-ND, Supplier Part Number 3=C1857438
U24: "W25N01GVZEIG 3V 1G-BIT Serial SLC NAND Flash Memoryw with Dual/Quad SPI Buffer Read & Continuous Read", JLC Type=Extended, Manufacturer=Winbond, Manufacturer 1="Winbond Electronics", Manufacturer Part Number 1="W25N01GVZEIG TR", Package=DFN-8, Supplier Part Number 1=256-W25N01GVZEIGTRCT-ND, HelpURL=https://www.winbond.com/resource-files/W25N01GV%20Rev%20O%20092619.pdf, Manufacturer 2="Winbond Electronics", Manufacturer 3=Winbond, Manufacturer Part Number 2=W25N01GVZEIG, Manufacturer Part Number 3=W25N01GVZEIG, Part Number=W25N01GVZEIG, Supplier 1=Digi-Key, Supplier 2=Digi-Key, Supplier 3=LCSC, Supplier Part Number 2=256-W25N01GVZEIG-ND, Supplier Part Number 3=C907680
U25: "I2C-Compatible (2-wire) Serial EEPROM 2K bits", JLC Type=Extended, Manufacturer=Zetta, Manufacturer Part Number 3=ZD24C02B-SSGMB, Package=SOIC-8, HelpURL=https://datasheet.lcsc.com/lcsc/2402020955_Zetta-ZD24C02B-SSGMB_C5374786.pdf, Manufacturer 3=Zetta, Part Number=ZD24C02B, Supplier 3=LCSC, Supplier Part Number 3=C5374786
U26: "TCA9554 Low Voltage 8-Bit I2C and SMBus Low-Power I/O Expander With Interrupt Output and Configuration Registers", Manufacturer="Texas Instruments", Manufacturer 3=TI, Manufacturer Part Number 1=TCA9554PWR, Package=TSSOP-16, Supplier Part Number 1=296-30135-1-ND, HelpURL=https://www.ti.com/lit/ds/symlink/tca9554.pdf, Manufacturer 1="Texas Instruments", Manufacturer Part Number 3=TCA9554PWR, Part Number="TCA9554 TSSOP16", Supplier 1=Digi-Key, Supplier 3=LCSC, Supplier Part Number 3=C477924
U28: "0.3A, 120V Absolute Maximum, Step-Down Converter With Fly-Buck™ Converter Capability", Manufacturer="Texas Instruments", Manufacturer Part Number 1=LM5168PDDAR, Package=SO8-EP, Supplier Part Number 1=296-LM5168PDDARCT-ND, HelpURL=https://www.ti.com/lit/ds/symlink/lm5168.pdf, Manufacturer 1="Texas Instruments", Manufacturer 3="Texas Instruments", Manufacturer Part Number 3=LM5168PDDAR, Part Number=LM5168P, Supplier 1=Digi-Key, Supplier 3=LCSC, Supplier Part Number 3=C5751958
U29: "TPS55340 Integrated 5-A Wide Input Range Boost/SEPIC/Flyback DC/DC Regulator", JLC Type=Extended, Manufacturer="Texas Instruments", Manufacturer 3=TI, Manufacturer Part Number 1=TPS55340RTER, Manufacturer Part Number 2=TPS55340RTET, Package=QFN-16, Supplier Part Number 1=296-37677-1-ND, HelpURL=https://www.ti.com/lit/ds/symlink/tps55340.pdf, Manufacturer 1="Texas Instruments", Manufacturer 2="Texas Instruments", Manufacturer Part Number 3=TPS55340RTER, Part Number="TPS55340 QFN", Supplier 1=Digi-Key, Supplier 2=Digi-Key, Supplier 3=LCSC, Supplier Part Number 2=296-30530-1-ND, Supplier Part Number 3=C169167
U30 U31: "4-V to 36-V, 600-mA, Synchronous Step-Down Converter", Manufacturer="Texas Instruments", Manufacturer Part Number 1=LV3842XFDBVR, Package=SOT23, Supplier Part Number 1=296-LV3842XFDBVR-ND, HelpURL=https://www.ti.com/lit/ds/symlink/lv3842.pdf, Manufacturer 1="Texas Instruments", Manufacturer 3="Texas Instruments", Manufacturer Part Number 3=LV3842XFDBVR, Part Number=LV3842XF, Supplier 1=Digi-Key, Supplier 3=LCSC, Supplier Part Number 3=C22428295
U32: "LP2985 150mA, Low-Noise, Low-Dropout Regulator With Shutdown, 1.8V", JLC Type=Extended, Manufacturer="Texas Instruments", Manufacturer 3=TI, Manufacturer Part Number 1=LP2985-33DBVR, Manufacturer Part Number 2=LP2985-33DBVRM3, Package=SOT23-5, Supplier Part Number 1=296-18476-1-ND, HelpURL=https://www.ti.com/lit/ds/symlink/lp2985.pdf, Manufacturer 1="Texas Instruments", Manufacturer 2="Texas Instruments", Manufacturer Part Number 3=LP2985-33DBVR, Part Number=LP2985-3.3, Supplier 1=Digi-Key, Supplier 2=Digi-Key, Supplier 3=LCSC, Supplier Part Number 2=296-LP2985-33DBVRM3CT-ND, Supplier Part Number 3=C95414
Y1: "32.768 kHz ±20ppm Crystal 12,5pF HC-49/US", JLC Type=Extended, Manufacturer=CJKJ, Manufacturer Part Number 3=C30732.768N12.5M20, Package=HC-49/US, HelpURL=https://www.lcsc.com/datasheet/C1122370.pdf, Manufacturer 3=CJKJ, Part Number="Crystal 32.768 kHz HC-49/US", Supplier 3=LCSC, Supplier Part Number 3=C1122370
Y2: "32.768 kHz ±20ppm Crystal 12,5pF FC-135", JLC Type=Basic, Manufacturer=Epson, Manufacturer 1=EPSON, Manufacturer Part Number 1="FC-135 32.7680KA-A5", Manufacturer Part Number 3=Q13FC13500004, Package=FC-135, Supplier Part Number 1=SER4103CT-ND, HelpURL=https://support.epson.biz/td/api/doc_check.php?dl=brief_FC-135, Manufacturer 3=EPSON, Part Number="Crystal 32.768 kHz FC-135", Supplier 1=Digi-Key, Supplier 3=LCSC, Supplier Part Number 3=C32346

## Free pads (board coordinates)
  round 0 hole 4 unplated: 3(-20,6) 3(-20,32)
  round 7 / inner round 4 / far side round 7 hole 3.2: M(-37.5,-59) M(-37.5,59) M(37.5,-59) M(37.5,59)
  round 7 / inner round 4 / far side round 4 hole 3.2: M(-37.5,0) M(37.5,0)

## Via types
v1: diameter 0.7, hole 0.35, Top Layer to Bottom Layer, tented both sides, 808 vias
v2: diameter 0.5, hole 0.3, Top Layer to Bottom Layer, tented both sides, 94 vias
v3: diameter 0.7, hole 0.35, Top Layer to Bottom Layer, 28 vias

## Nets (pads, with @x,y where several pads share a name; then routed paths per layer and width w, separated by ;. In a path a pad name is that pad's centre, name@x,y a point inside that pad or via, vN(x,y) a via of type N, cw(c..) or ccw(c..) an arc to the next point about the centre after c; other vN are vias at no path point)
2C_SDA_UI: J6.11 R209.2 | length 6.3
  Top Layer w0.2: J6.11@12.7,-67 11.5,-65.8 11.5,-63.5 12.1,-62.9 12.325,-62.9 R209.2@13.2,-62.025
+3V3: C41.1 C54.1 C77.1 C97.1 C98.1 C99.1 C100.1 C101.1 C104.1 C105.1 C106.1 C107.1 C108.1 C135.1 C136.1 C137.1 D15.2 D19.2 D26.2 D27.2 D28.2 D29.2 D30.2 D31.2 D32.2 D33.2 J7.1 L6.2 Q34.2 R149.1 R203.1 R204.1 R217.1 R220.1 R222.1 R223.1 R224.1 R234.1 R239.1 R240.1 R241.1 R276.1 R279.1 TP2.1 U6.14 U9.5 U18.20 U21.24 U21.49 U21.64 U21.75 U21.100 U22.5 U23.5 U24.8 U25.8 U26.16 | length 67.8
  Top Layer w0.3: v1(-32,-24.525) -31.475,-24 v2(-30.9,-24) U21.100@-29.725,-24 ; v1(-28.425,-8) -28.425,-8.775 v2(-28.1,-9.1) -28,-9.2 U21.75@-28,-10.275 ; v1(-22.925,-8) -22.45,-8.475 -22.45,-9.348 -22.5,-9.398 U21.64@-22.5,-10.275 v2(-22.5,-11.5) ; v2(-16.5,-24.5) U21.24@-16.5,-25.725 -16.5,-26.622 -16.55,-26.672 -16.55,-27.525 v1(-16.075,-28) ; v2(-15.5,-12.5) U21.49@-14.275,-12.5 -13.4,-12.5 -12.875,-11.975 v1(-12,-11.975) ; R276.1@9.6,-27.925 10.4,-27.125 10.4,-25.925 R279.1@9.6,-25.125
  Top Layer w0.45: U6.14@-29.95,32.55 -29.938,32.55 -29.938,31.012 v1(-29.925,31) ; U18.20@-25.075,47.05 -25.075,46.725 -23.65,46.725 v1(-23.4,46.475) ; C108.1@-14.55,-45.275 U26.16@-12.95,-45.275 ; U24.8@-6.13,-30.095 -4.88,-30.095 v1(-4.7,-30.275)
  Top Layer w0.5: J7.1@-13.46,-63.365 -13.195,-63.1 -11.7,-63.1 -11.2,-63.6 v2(-11.2,-64)
  Top Layer w0.55: D30.2@-30.05,69.85 v1(-30.05,70.8) ; D31.2@-26.05,69.85 v1(-26.05,70.8) ; D26.2@-22.85,58.15 v1@-21.9,58.15 ; v1(-16.1,60.05) D27.2@-15.15,60.05 ; v1(-13.3,-27.125) -13.175,-27.25 U23.5@-11.95,-27.25 ; v1(-9.175,-22.5) -8.975,-22.3 -8.975,-21.8 -8.644,-21.469 -8.644,-21.381 -8.65,-21.375 U22.5@-8.65,-21.15 ; v1(-8.4,42.075) -8.2,41.875 -7.7,41.875 -7.275,41.45 U9.5@-7.05,41.45 ; v1(-0.3,39.65) D15.2@0.45,39.65 ; v1(5.95,71.9) D28.2@5.95,72.85 ; v1(12.15,71.95) D29.2@12.15,72.9 ; D33.2@20.75,74.85 v1(20.75,75.8) ; v1(22.75,79.2) D32.2@22.75,79.95 ; v1(31.3,-63.15) Q34.2@32.05,-63.15 ; v1(35.65,74.5) D19.2@35.65,75.45
  Top Layer w0.6: U25.8@-23.905,-40.22 -23.905,-39.57 -23.9,-39.565 -23.9,-38.475 v1(-23.725,-38.3)
  Top Layer w0.7: R217.1@7.625,-62 v1(8.975,-62)
  Top Layer w0.95: C137.1@8.9,-29.4 9.6,-28.7 R276.1@9.6,-27.925
  Top Layer w1.2: L6.2@4,-40.7 4.3,-41 7.725,-41 8.9,-39.825 8.9,-34.996 8.9,-34 C135.1@8.9,-32.6 C136.1@8.9,-31 C137.1@8.9,-29.4
  Bottom Layer w0.5: J7.1@-13.46,-64.635 -13.195,-64.9 -11.7,-64.9 -11.2,-64.4 v2(-11.2,-64)
  other v1: -3.6,-65.225 -7.2,-61.625 28.6,-60.575 28.6,-57.775 9.825,-56.6 -14.575,-45.3 -16.325,-43 8.9,-39.5 8.9,-38.5 -26.525,-38.3 -19.475,-38.3 -19.975,-28 -6.475,54.8 -22,58.2